# Altium PCB POV_LED_SOLID.PcbDoc
Units mm, origin at the board's own origin, x right, y up, seen from the top; angles counter-clockwise.
Board outline 20.5 x 47.5 mm, 2 copper layers (Top Layer, Bottom Layer); 145 components, 142 nets, 415 pads, 153 vias.
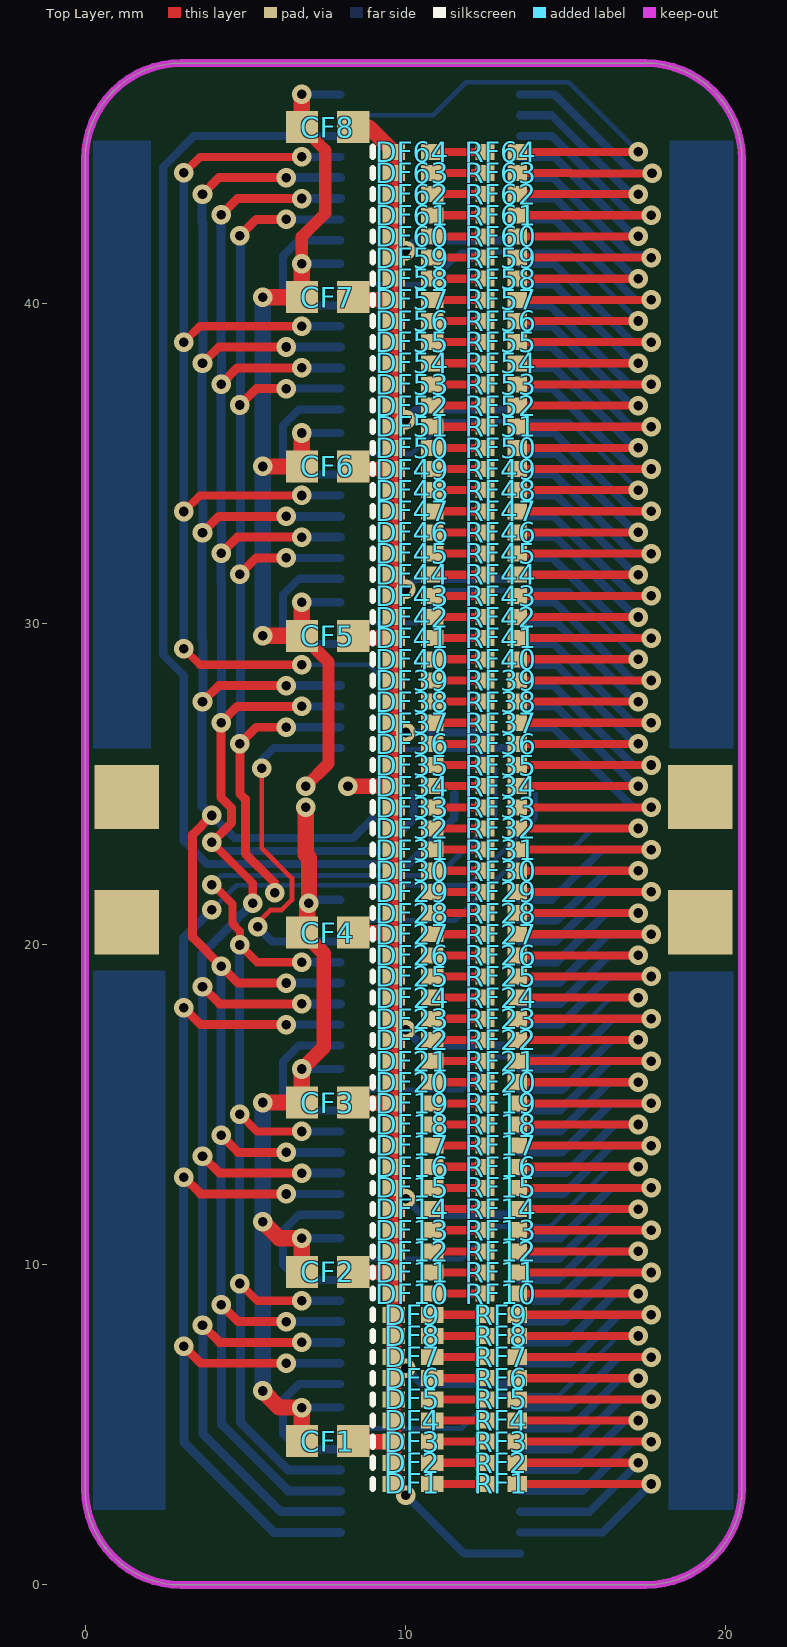
[diagram p0: Top Layer view]
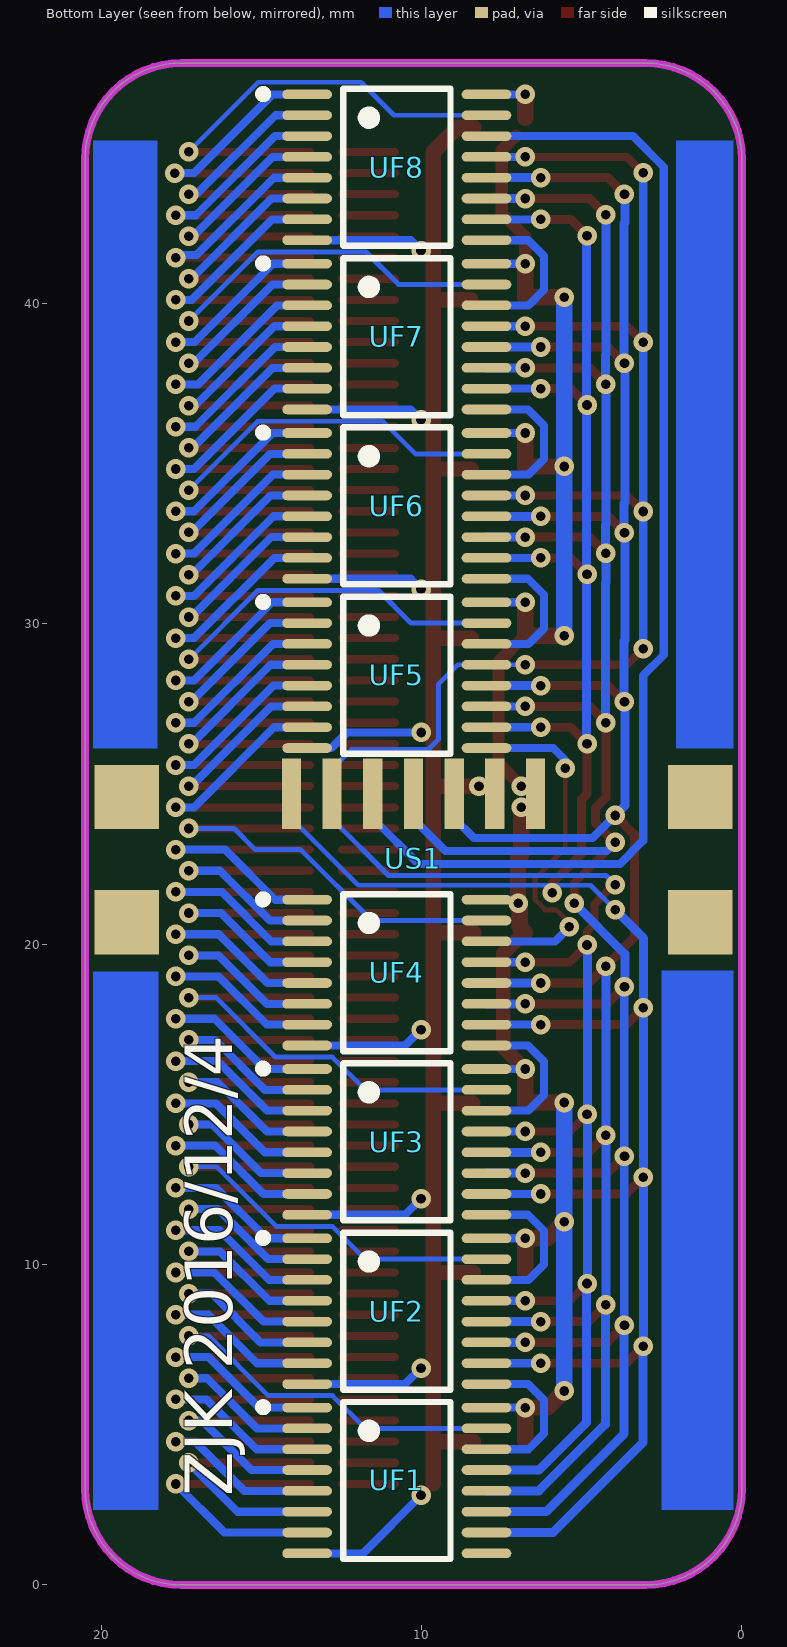
[diagram p1: Bottom Layer view, seen from below]

## Layer stack, top to bottom
Top Layer: signal copper 0.0356
Dielectric: dielectric 0.32, FR-4, Dk 4.8
Bottom Layer: signal copper 0.0356

## Board outline
0,3 0,44.5 cw(c3,44.5) 3,47.5 17.5,47.5 cw(c17.5,44.5) 20.5,44.5 20.5,3 cw(c17.5,3) 17.5,0 3,0 cw(c3,3)

## Design rules (kind name [scope] priority, off if disabled: settings)
Clearance Clearance_1 [InPolygon] p1: gap=0.381
Clearance [All] p2: gap=0.152
PolygonConnect [All] p1: connectstyle=Relief reliefconductorwidth=0.381 reliefentries=4 polygonreliefangle="90 Angle" airgapwidth=-0.381
RoutingVias [All] p1: holewidth=0.711 width=1.27 viastyle="Through Hole" minholewidth=0.711 minwidth=1.27 maxholewidth=0.711 maxwidth=1.27
SolderMaskExpansion [All] p1: expansion=0.102
Width [All] p1: maxlimit=1.524 minlimit=0.152 preferedwidth=0.203
28 further rules are at their usual default settings.

## Components (designator, comment, footprint, x,y, rotation, side; value= is the part's Value field where it differs from the comment)
CF1 "Cap1" CAPC1608N 7.57,4.485 r180 top
CF2 "Cap1" CAPC1608N 7.57,9.769 r180 top
CF3 "Cap1" CAPC1608N 7.57,15.054 r180 top
CF4 "Cap1" CAPC1608N 7.57,20.359 r180 top
CF5 "Cap1" CAPC1608N 7.57,29.624 r180 top
CF6 "Cap1" CAPC1608N 7.57,34.913 r180 top
CF7 "Cap1" CAPC1608N 7.57,40.197 r180 top
CF8 "Cap1" CAPC1608N 7.57,45.505 r180 top
DF1 "" CD1005-0402-L 10.834,3.151 r180 top
DF2 "" CD1005-0402-L 10.834,3.811 r180 top
DF3 "" CD1005-0402-L 10.834,4.471 r180 top
DF4 "" CD1005-0402-L 10.834,5.131 r180 top
DF5 "" CD1005-0402-L 10.834,5.791 r180 top
DF6 "" CD1005-0402-L 10.834,6.451 r180 top
DF7 "" CD1005-0402-L 10.834,7.111 r180 top
DF8 "" CD1005-0402-L 10.834,7.771 r180 top
DF9 "" CD1005-0402-L 10.834,8.431 r180 top
DF10 "" CD1005-0402-L 10.834,9.091 r180 top
DF11 "" CD1005-0402-L 10.834,9.751 r180 top
DF12 "" CD1005-0402-L 10.834,10.411 r180 top
DF13 "" CD1005-0402-L 10.834,11.071 r180 top
DF14 "" CD1005-0402-L 10.834,11.731 r180 top
DF15 "" CD1005-0402-L 10.834,12.391 r180 top
DF16 "" CD1005-0402-L 10.834,13.051 r180 top
DF17 "" CD1005-0402-L 10.834,13.711 r180 top
DF18 "" CD1005-0402-L 10.834,14.371 r180 top
DF19 "" CD1005-0402-L 10.834,15.031 r180 top
DF20 "" CD1005-0402-L 10.834,15.691 r180 top
DF21 "" CD1005-0402-L 10.834,16.351 r180 top
DF22 "" CD1005-0402-L 10.834,17.011 r180 top
DF23 "" CD1005-0402-L 10.834,17.671 r180 top
DF24 "" CD1005-0402-L 10.834,18.331 r180 top
DF25 "" CD1005-0402-L 10.834,18.991 r180 top
DF26 "" CD1005-0402-L 10.834,19.651 r180 top
DF27 "" CD1005-0402-L 10.834,20.311 r180 top
DF28 "" CD1005-0402-L 10.834,20.971 r180 top
DF29 "" CD1005-0402-L 10.834,21.631 r180 top
DF30 "" CD1005-0402-L 10.834,22.291 r180 top
DF31 "" CD1005-0402-L 10.834,22.951 r180 top
DF32 "" CD1005-0402-L 10.834,23.611 r180 top
DF33 "" CD1005-0402-L 10.834,24.271 r180 top
DF34 "" CD1005-0402-L 10.834,24.931 r180 top
DF35 "" CD1005-0402-L 10.834,25.59 r180 top
DF36 "" CD1005-0402-L 10.834,26.25 r180 top
DF37 "" CD1005-0402-L 10.834,26.91 r180 top
DF38 "" CD1005-0402-L 10.834,27.57 r180 top
DF39 "" CD1005-0402-L 10.834,28.23 r180 top
DF40 "" CD1005-0402-L 10.834,28.89 r180 top
DF41 "" CD1005-0402-L 10.834,29.55 r180 top
DF42 "" CD1005-0402-L 10.834,30.21 r180 top
DF43 "" CD1005-0402-L 10.834,30.87 r180 top
DF44 "" CD1005-0402-L 10.834,31.53 r180 top
DF45 "" CD1005-0402-L 10.834,32.19 r180 top
DF46 "" CD1005-0402-L 10.834,32.85 r180 top
DF47 "" CD1005-0402-L 10.834,33.51 r180 top
DF48 "" CD1005-0402-L 10.834,34.17 r180 top
DF49 "" CD1005-0402-L 10.834,34.83 r180 top
DF50 "" CD1005-0402-L 10.834,35.49 r180 top
DF51 "" CD1005-0402-L 10.834,36.15 r180 top
DF52 "" CD1005-0402-L 10.834,36.81 r180 top
DF53 "" CD1005-0402-L 10.834,37.47 r180 top
DF54 "" CD1005-0402-L 10.834,38.13 r180 top
DF55 "" CD1005-0402-L 10.834,38.79 r180 top
DF56 "" CD1005-0402-L 10.834,39.45 r180 top
DF57 "" CD1005-0402-L 10.834,40.11 r180 top
DF58 "" CD1005-0402-L 10.834,40.77 r180 top
DF59 "" CD1005-0402-L 10.834,41.43 r180 top
DF60 "" CD1005-0402-L 10.834,42.09 r180 top
DF61 "" CD1005-0402-L 10.834,42.75 r180 top
DF62 "" CD1005-0402-L 10.834,43.41 r180 top
DF63 "" CD1005-0402-L 10.834,44.07 r180 top
DF64 "" CD1005-0402-L 10.834,44.73 r180 top
RF1 "Res1" RESC1005L-0.5 12.986,3.151 r180 top
RF2 "Res1" RESC1005L-0.5 12.986,3.811 r180 top
RF3 "Res1" RESC1005L-0.5 12.986,4.471 r180 top
RF4 "Res1" RESC1005L-0.5 12.986,5.131 r180 top
RF5 "Res1" RESC1005L-0.5 12.986,5.791 r180 top
RF6 "Res1" RESC1005L-0.5 12.986,6.451 r180 top
RF7 "Res1" RESC1005L-0.5 12.986,7.111 r180 top
RF8 "Res1" RESC1005L-0.5 12.986,7.771 r180 top
RF9 "Res1" RESC1005L-0.5 12.986,8.431 r180 top
RF10 "Res1" RESC1005L-0.5 12.986,9.091 r180 top
RF11 "Res1" RESC1005L-0.5 12.986,9.751 r180 top
RF12 "Res1" RESC1005L-0.5 12.986,10.411 r180 top
RF13 "Res1" RESC1005L-0.5 12.986,11.071 r180 top
RF14 "Res1" RESC1005L-0.5 12.986,11.731 r180 top
RF15 "Res1" RESC1005L-0.5 12.986,12.391 r180 top
RF16 "Res1" RESC1005L-0.5 12.986,13.051 r180 top
RF17 "Res1" RESC1005L-0.5 12.986,13.711 r180 top
RF18 "Res1" RESC1005L-0.5 12.986,14.371 r180 top
RF19 "Res1" RESC1005L-0.5 12.986,15.031 r180 top
RF20 "Res1" RESC1005L-0.5 12.986,15.691 r180 top
RF21 "Res1" RESC1005L-0.5 12.986,16.351 r180 top
RF22 "Res1" RESC1005L-0.5 12.986,17.011 r180 top
RF23 "Res1" RESC1005L-0.5 12.986,17.671 r180 top
RF24 "Res1" RESC1005L-0.5 12.986,18.331 r180 top
RF25 "Res1" RESC1005L-0.5 12.986,18.991 r180 top
RF26 "Res1" RESC1005L-0.5 12.986,19.651 r180 top
RF27 "Res1" RESC1005L-0.5 12.986,20.311 r180 top
RF28 "Res1" RESC1005L-0.5 12.986,20.971 r180 top
RF29 "Res1" RESC1005L-0.5 12.986,21.631 r180 top
RF30 "Res1" RESC1005L-0.5 12.986,22.291 r180 top
RF31 "Res1" RESC1005L-0.5 12.986,22.951 r180 top
RF32 "Res1" RESC1005L-0.5 12.986,23.611 r180 top
RF33 "Res1" RESC1005L-0.5 12.986,24.271 r180 top
RF34 "Res1" RESC1005L-0.5 12.986,24.931 r180 top
RF35 "Res1" RESC1005L-0.5 12.986,25.59 r180 top
RF36 "Res1" RESC1005L-0.5 12.986,26.25 r180 top
RF37 "Res1" RESC1005L-0.5 12.986,26.91 r180 top
RF38 "Res1" RESC1005L-0.5 12.986,27.57 r180 top
RF39 "Res1" RESC1005L-0.5 12.986,28.23 r180 top
RF40 "Res1" RESC1005L-0.5 12.986,28.89 r180 top
RF41 "Res1" RESC1005L-0.5 12.986,29.55 r180 top
RF42 "Res1" RESC1005L-0.5 12.986,30.21 r180 top
RF43 "Res1" RESC1005L-0.5 12.986,30.87 r180 top
RF44 "Res1" RESC1005L-0.5 12.986,31.53 r180 top
RF45 "Res1" RESC1005L-0.5 12.986,32.19 r180 top
RF46 "Res1" RESC1005L-0.5 12.986,32.85 r180 top
RF47 "Res1" RESC1005L-0.5 12.986,33.51 r180 top
RF48 "Res1" RESC1005L-0.5 12.986,34.17 r180 top
RF49 "Res1" RESC1005L-0.5 12.986,34.83 r180 top
RF50 "Res1" RESC1005L-0.5 12.986,35.49 r180 top
RF51 "Res1" RESC1005L-0.5 12.986,36.15 r180 top
RF52 "Res1" RESC1005L-0.5 12.986,36.81 r180 top
RF53 "Res1" RESC1005L-0.5 12.986,37.47 r180 top
RF54 "Res1" RESC1005L-0.5 12.986,38.13 r180 top
RF55 "Res1" RESC1005L-0.5 12.986,38.79 r180 top
RF56 "Res1" RESC1005L-0.5 12.986,39.45 r180 top
RF57 "Res1" RESC1005L-0.5 12.986,40.11 r180 top
RF58 "Res1" RESC1005L-0.5 12.986,40.77 r180 top
RF59 "Res1" RESC1005L-0.5 12.986,41.43 r180 top
RF60 "Res1" RESC1005L-0.5 12.986,42.09 r180 top
RF61 "Res1" RESC1005L-0.5 12.986,42.75 r180 top
RF62 "Res1" RESC1005L-0.5 12.986,43.41 r180 top
RF63 "Res1" RESC1005L-0.5 12.986,44.07 r180 top
RF64 "Res1" RESC1005L-0.5 12.986,44.73 r180 top
UF1 "74HC595" TSSOP-16N 10.395,3.26 r180 bottom
UF2 "74HC595" TSSOP-16N 10.395,8.544 r180 bottom
UF3 "74HC595" TSSOP-16N 10.395,13.828 r180 bottom
UF4 "74HC595" TSSOP-16N 10.395,19.112 r180 bottom
UF5 "74HC595" TSSOP-16N 10.395,28.396 r180 bottom
UF6 "74HC595" TSSOP-16N 10.395,33.679 r180 bottom
UF7 "74HC595" TSSOP-16N 10.395,38.963 r180 bottom
UF8 "74HC595" TSSOP-16N 10.395,44.247 r180 bottom
US1 "SOLID_LED2" SOLID_LED2 6.44,24.691 r0 bottom

## Footprints (in the part's own frame and the unit in brackets; to place one, negate y for a bottom-side part, rotate by r counter-clockwise, add the part's x,y. Pads: shape width x height; smd on the part's side, far side on the other; paste and mask are expansions set on the pad)
CAPC1608N [mm] "Chip Capacitor, Body 1.6x0.8mm, IPC Medium Density"
  rect 1x1 smd: 1(-0.8,0) 2(0.8,0)
  body extent -0.87,-0.48 0.87,0.48, height 0.85
CD1005-0402-L [mm] "Chip Diode; Body 1.0 x 0.5 mm (LxW typ)"
  rect 0.7x0.5 smd: 1(0,0) 2(1.2,0)
  silkscreen extent 1.85,-0.15 1.85,0.15
RESC1005L-0.5 [mm] "Chip Resistor, Body 1.1x0.5mm, IPC High Density"
  rect 0.6x0.5 smd: 1(-0.5,0) 2(0.5,0)
  body extent -0.55,-0.3 0.55,0.3, height 0.4
SOLID_LED2 [mm]
  rect 0.6x2.2 smd: 1(0,0) 2(1.27,0) 3(2.54,0) 4(3.81,0) 5(5.08,0) 6(6.35,0) 7(7.62,0)
  rect 2x2 smd far side: 8(-5.14,0.1) 8(-5.14,4.008) 8(12.76,0.1) 8(12.76,4.008)
  rect 2x2 smd: 8(-5.14,0.1) 8(-5.14,4.008) 8(12.76,0.1) 8(12.76,4.008)
TSSOP-16N [mm] "TSOP, 16-Leads, Body 5.00x4.40mm, Pitch 0.65mm, IPC Medium Density"
  oval 1.55x0.3 smd: 1(-3.175,2.275) 2(-3.175,1.625) 3(-3.175,0.975) 4(-3.175,0.325) 5(-3.175,-0.325) 6(-3.175,-0.975) 7(-3.175,-1.625) 8(-3.175,-2.275) 9(2.425,-2.275) 10(2.425,-1.625) 11(2.425,-0.975) 12(2.425,-0.325) 13(2.425,0.325) 14(2.425,0.975) 15(2.425,1.625) 16(2.425,2.275)
  silkscreen extent -4.67,-2.45 1.3,2.45, body extent -2.15,-2.45 1.4,2.45, height 1.2

## Part data
CF1 CF2 CF3 CF4 CF5 CF6 CF7 CF8: "Capacitor"
DF1 DF2 DF3 DF4 DF5 DF6 DF7 DF8 DF9 DF10 DF11 DF12 DF13 DF14 DF15 DF16 DF17 DF18 DF19 DF20 DF21 DF22 DF23 DF24 DF25 DF26 DF27 DF28 DF29 DF30 DF31 DF32 DF33 DF34 DF35 DF36 DF37 DF38 DF39 DF40 DF41 DF42 DF43 DF44 DF45 DF46 DF47 DF48 DF49 DF50 DF51 DF52 DF53 DF54 DF55 DF56 DF57 DF58 DF59 DF60 DF61 DF62 DF63 DF64: library part LED2, "Typical RED, GREEN, YELLOW, AMBER GaAs LED"
RF1 RF2 RF3 RF4 RF5 RF6 RF7 RF8 RF9 RF10 RF11 RF12 RF13 RF14 RF15 RF16 RF17 RF18 RF19 RF20 RF21 RF22 RF23 RF24 RF25 RF26 RF27 RF28 RF29 RF30 RF31 RF32 RF33 RF34 RF35 RF36 RF37 RF38 RF39 RF40 RF41 RF42 RF43 RF44 RF45 RF46 RF47 RF48 RF49 RF50 RF51 RF52 RF53 RF54 RF55 RF56 RF57 RF58 RF59 RF60 RF61 RF62 RF63 RF64: "Resistor"
UF1 UF2 UF3 UF4 UF5 UF6 UF7 UF8: "8-Bit Serial-Input/Serial or Prallel-Output Shift Register with Latched 3-State Outputs"

## Via types
v1: diameter 0.61, hole 0.3, Top Layer to Bottom Layer, tented both sides, 153 vias

## Nets (pads, with @x,y where several pads share a name; then routed paths per layer and width w, separated by ;. In a path a pad name is that pad's centre, name@x,y a point inside that pad or via, vN(x,y) a via of type N, cw(c..) or ccw(c..) an arc to the next point about the centre after c; other vN are vias at no path point)
+5V: CF1.2 CF2.2 CF3.2 CF4.2 CF5.2 CF6.2 CF7.2 CF8.2 UF1.16 UF2.16 UF3.16 UF4.16 UF5.16 UF6.16 UF7.16 UF8.16 US1.1 | length 62.6
  Top Layer w0.381: CF5.2@6.7,29.624 6.776,29.624 7.595,28.805 7.595,25.642 v1(6.884,24.931) ; v1(6.763,41.238) 6.763,42.083 7.494,42.813 7.494,44.781 CF8.2@7.043,45.232
  Top Layer w0.457: v1(6.763,16.103) 7.449,16.788 7.449,19.721 6.81,20.359 CF4.2
  Top Layer w0.508: v1(5.544,6.054) 6.063,5.535 v1(6.763,5.535) 6.763,4.498 CF1.2@6.75,4.485 ; v1(5.544,11.338) 6.063,10.819 v1(6.763,10.819) CF2.2@6.763,9.782 ; v1(5.544,15.056) CF3.2@6.763,15.056 ; v1(5.544,29.626) 6.763,29.626 v1(6.763,30.67) ; v1(5.544,34.91) 6.763,34.91 v1(6.763,35.954) ; v1(5.544,40.194) 6.763,40.194 v1(6.763,41.238) ; CF3.2@6.763,15.066 v1(6.763,16.103) ; CF8.2@6.763,45.797 v1(6.763,46.522) ; CF4.2 6.935,20.524 6.935,21.223 v1(6.986,21.274) 6.986,22.696 6.884,22.798 v1(6.884,24.271)
  Bottom Layer w0.254: v1(6.763,5.535) UF1.16 ; v1(6.763,10.819) UF2.16 ; v1(6.763,16.103) UF3.16 ; v1(6.763,30.67) UF5.16 ; v1(6.763,35.954) UF6.16 ; v1(6.763,41.238) UF7.16 ; v1(6.763,46.522) UF8.16 ; v1(6.986,21.274) 7.098,21.387 UF4.16
  Bottom Layer w0.508: v1(5.544,6.054) v1(5.544,11.338) v1(5.544,15.056) ; v1(5.544,29.626) v1(5.544,34.91) v1(5.544,40.194)
CS: UF1.12 UF2.12 UF3.12 UF4.12 UF5.12 UF6.12 UF7.12 UF8.12 US1.3 | length 79.2
  Top Layer w0.279: v1(3.664,27.56) 4.175,28.071 v1(6.281,28.071) ; v1(3.664,32.844) 4.175,33.354 v1(6.281,33.354) ; v1(3.664,38.128) 4.175,38.638 v1(6.281,38.638) ; v1(3.664,43.412) 4.175,43.922 v1(6.281,43.922) ; v1(3.957,24.017) 3.951,24.017 3.353,23.42 3.353,20.209 v1(4.249,19.314) 4.776,18.787 v1(6.281,18.787) ; v1(4.249,8.746) 4.776,8.219 v1(6.281,8.219) ; v1(4.249,14.03) 4.776,13.503 v1(6.281,13.503)
  Bottom Layer w0.254: v1(3.957,24.017) 4.662,23.311 8.363,23.311 US1.3@8.98,23.929
  Bottom Layer w0.279: v1@3.652,43.399 3.652,42.518 3.677,42.493 3.677,38.141 3.652,38.115 3.652,33.777 3.677,33.752 3.677,32.857 3.652,32.831 3.652,29.493 3.677,29.468 3.677,27.573 v1(3.664,27.56) 3.652,27.547 3.652,24.322 v1(3.957,24.017) ; v1@4.236,8.759 v1@4.236,19.301 ; v1(4.249,8.746) 4.261,8.733 4.261,5.01 6.337,2.935 UF1.12 ; v1(6.281,8.219) UF2.12 ; v1(6.281,13.503) UF3.12 ; v1(6.281,18.787) UF4.12 ; v1(6.281,28.071) UF5.12 ; v1(6.281,33.354) UF6.12 ; v1(6.281,38.638) UF7.12 ; v1(6.281,43.922) UF8.12
GND: CF1.1 CF2.1 CF3.1 CF4.1 CF5.1 CF6.1 CF7.1 CF8.1 DF1.2 DF2.2 DF3.2 DF4.2 DF5.2 DF6.2 DF7.2 DF8.2 DF9.2 DF10.2 DF11.2 DF12.2 DF13.2 DF14.2 DF15.2 DF16.2 DF17.2 DF18.2 DF19.2 DF20.2 DF21.2 DF22.2 DF23.2 DF24.2 DF25.2 DF26.2 DF27.2 DF28.2 DF29.2 DF30.2 DF31.2 DF32.2 DF33.2 DF34.2 DF35.2 DF36.2 DF37.2 DF38.2 DF39.2 DF40.2 DF41.2 DF42.2 DF43.2 DF44.2 DF45.2 DF46.2 DF47.2 DF48.2 DF49.2 DF50.2 DF51.2 DF52.2 DF53.2 DF54.2 DF55.2 DF56.2 DF57.2 DF58.2 DF59.2 DF60.2 DF61.2 DF62.2 DF63.2 DF64.2 UF1.8 UF2.8 UF3.8 UF4.8 UF5.8 UF6.8 UF7.8 UF8.8 US1.2 | length 83.5
  Top Layer w0.483: v1(8.205,24.931) DF34.2 ; CF4.1 DF27.2@9.585,20.359 ; CF8.1 8.859,45.505 DF64.2 DF63.2 DF62.2 DF61.2 DF60.2 DF59.2 DF58.2 DF57.2 ; CF1.1@8.384,4.471 DF3.2 ; CF2.1@8.389,9.751 DF11.2 ; CF3.1@8.394,15.031 DF19.2 ; CF5.1@8.443,29.55 DF41.2 ; CF6.1@8.453,34.83 DF49.2 ; CF7.1@8.456,40.11 DF57.2 ; DF1.2 DF2.2 DF3.2 ; DF3.2 DF4.2 DF5.2 DF6.2 DF7.2 DF8.2 DF9.2 DF10.2 DF11.2 ; DF11.2 DF12.2 DF13.2 DF14.2 DF15.2 DF16.2 DF17.2 DF18.2 DF19.2 ; DF19.2 DF20.2 DF21.2 DF22.2 DF23.2 DF24.2 DF25.2 DF26.2 DF27.2 DF28.2 DF29.2 DF30.2 DF31.2 DF32.2 DF33.2 DF34.2 ; DF34.2 DF35.2 DF36.2 DF37.2 DF38.2 DF39.2 DF40.2 DF41.2 ; DF41.2 DF42.2 DF43.2 DF44.2 DF45.2 DF46.2 DF47.2 DF48.2 DF49.2 ; DF49.2 DF50.2 DF51.2 DF52.2 DF53.2 DF54.2 DF55.2 DF56.2 DF57.2
  Bottom Layer w0.254: v1(10.008,26.608) 12.32,26.608 12.807,26.12 UF5.8 ; v1(10.014,2.799) 11.829,0.985 UF1.8 ; v1(10.014,6.763) 10.509,6.269 UF2.8 ; v1(10.014,12.047) 10.509,11.553 UF3.8 ; v1(10.014,17.331) 10.509,16.837 UF4.8 ; v1(10.014,31.082) 10.337,31.404 UF6.8 ; v1(10.014,36.366) 10.337,36.688 UF7.8 ; v1(10.014,41.65) 10.337,41.972 UF8.8
NetDF1_1: DF1.1 RF1.2 | length 1.7
  Top Layer w0.254: DF1.1 RF1.2
NetDF2_1: DF2.1 RF2.2 | length 1.7
  Top Layer w0.254: DF2.1 RF2.2
NetDF3_1: DF3.1 RF3.2 | length 1.7
  Top Layer w0.254: DF3.1 RF3.2
NetDF4_1: DF4.1 RF4.2 | length 1.7
  Top Layer w0.254: DF4.1 RF4.2
NetDF5_1: DF5.1 RF5.2 | length 1.7
  Top Layer w0.254: DF5.1 RF5.2
NetDF6_1: DF6.1 RF6.2 | length 1.7
  Top Layer w0.254: DF6.1 RF6.2
NetDF7_1: DF7.1 RF7.2 | length 1.7
  Top Layer w0.254: DF7.1 RF7.2
NetDF8_1: DF8.1 RF8.2 | length 1.7
  Top Layer w0.254: DF8.1 RF8.2
NetDF9_1: DF9.1 RF9.2 | length 1.7
  Top Layer w0.254: DF9.1 RF9.2
NetDF10_1: DF10.1 RF10.2 | length 1.7
  Top Layer w0.254: DF10.1 RF10.2
NetDF11_1: DF11.1 RF11.2 | length 1.7
  Top Layer w0.254: DF11.1 RF11.2
NetDF12_1: DF12.1 RF12.2 | length 1.7
  Top Layer w0.254: DF12.1 RF12.2
NetDF13_1: DF13.1 RF13.2 | length 1.7
  Top Layer w0.254: DF13.1 RF13.2
NetDF14_1: DF14.1 RF14.2 | length 1.7
  Top Layer w0.254: DF14.1 RF14.2
NetDF15_1: DF15.1 RF15.2 | length 1.7
  Top Layer w0.254: DF15.1 RF15.2
NetDF16_1: DF16.1 RF16.2 | length 1.7
  Top Layer w0.254: DF16.1 RF16.2
NetDF17_1: DF17.1 RF17.2 | length 1.7
  Top Layer w0.254: DF17.1 RF17.2
NetDF18_1: DF18.1 RF18.2 | length 1.7
  Top Layer w0.254: DF18.1 RF18.2
NetDF19_1: DF19.1 RF19.2 | length 1.7
  Top Layer w0.254: DF19.1 RF19.2
NetDF20_1: DF20.1 RF20.2 | length 1.7
  Top Layer w0.254: DF20.1 RF20.2
NetDF21_1: DF21.1 RF21.2 | length 1.7
  Top Layer w0.254: DF21.1 RF21.2
NetDF22_1: DF22.1 RF22.2 | length 1.7
  Top Layer w0.254: DF22.1 RF22.2
NetDF23_1: DF23.1 RF23.2 | length 1.7
  Top Layer w0.254: DF23.1 RF23.2
NetDF24_1: DF24.1 RF24.2 | length 1.7
  Top Layer w0.254: DF24.1 RF24.2
NetDF25_1: DF25.1 RF25.2 | length 1.7
  Top Layer w0.254: DF25.1 RF25.2
NetDF26_1: DF26.1 RF26.2 | length 1.7
  Top Layer w0.254: DF26.1 RF26.2
NetDF27_1: DF27.1 RF27.2 | length 1.7
  Top Layer w0.254: DF27.1 RF27.2
NetDF28_1: DF28.1 RF28.2 | length 1.7
  Top Layer w0.254: DF28.1 RF28.2
NetDF29_1: DF29.1 RF29.2 | length 1.7
  Top Layer w0.254: DF29.1 RF29.2
NetDF30_1: DF30.1 RF30.2 | length 1.7
  Top Layer w0.254: DF30.1 RF30.2
NetDF31_1: DF31.1 RF31.2 | length 1.7
  Top Layer w0.254: DF31.1 RF31.2
NetDF32_1: DF32.1 RF32.2 | length 1.7
  Top Layer w0.254: DF32.1 RF32.2
NetDF33_1: DF33.1 RF33.2 | length 1.7
  Top Layer w0.254: DF33.1 RF33.2
NetDF34_1: DF34.1 RF34.2 | length 1.7
  Top Layer w0.254: DF34.1 RF34.2
NetDF35_1: DF35.1 RF35.2 | length 1.7
  Top Layer w0.254: DF35.1 RF35.2
NetDF36_1: DF36.1 RF36.2 | length 1.7
  Top Layer w0.254: DF36.1 RF36.2
NetDF37_1: DF37.1 RF37.2 | length 1.7
  Top Layer w0.254: DF37.1 RF37.2
NetDF38_1: DF38.1 RF38.2 | length 1.7
  Top Layer w0.254: DF38.1 RF38.2
NetDF39_1: DF39.1 RF39.2 | length 1.7
  Top Layer w0.254: DF39.1 RF39.2
NetDF40_1: DF40.1 RF40.2 | length 1.7
  Top Layer w0.254: DF40.1 RF40.2
NetDF41_1: DF41.1 RF41.2 | length 1.7
  Top Layer w0.254: DF41.1 RF41.2
NetDF42_1: DF42.1 RF42.2 | length 1.7
  Top Layer w0.254: DF42.1 RF42.2
NetDF43_1: DF43.1 RF43.2 | length 1.7
  Top Layer w0.254: DF43.1 RF43.2
NetDF44_1: DF44.1 RF44.2 | length 1.7
  Top Layer w0.254: DF44.1 RF44.2
NetDF45_1: DF45.1 RF45.2 | length 1.7
  Top Layer w0.254: DF45.1 RF45.2
NetDF46_1: DF46.1 RF46.2 | length 1.7
  Top Layer w0.254: DF46.1 RF46.2
NetDF47_1: DF47.1 RF47.2 | length 1.7
  Top Layer w0.254: DF47.1 RF47.2
NetDF48_1: DF48.1 RF48.2 | length 1.7
  Top Layer w0.254: DF48.1 RF48.2
NetDF49_1: DF49.1 RF49.2 | length 1.7
  Top Layer w0.254: DF49.1 RF49.2
NetDF50_1: DF50.1 RF50.2 | length 1.7
  Top Layer w0.254: DF50.1 RF50.2
NetDF51_1: DF51.1 RF51.2 | length 1.7
  Top Layer w0.254: DF51.1 RF51.2
NetDF52_1: DF52.1 RF52.2 | length 1.7
  Top Layer w0.254: DF52.1 RF52.2
NetDF53_1: DF53.1 RF53.2 | length 1.7
  Top Layer w0.254: DF53.1 RF53.2
NetDF54_1: DF54.1 RF54.2 | length 1.7
  Top Layer w0.254: DF54.1 RF54.2
NetDF55_1: DF55.1 RF55.2 | length 1.7
  Top Layer w0.254: DF55.1 RF55.2
NetDF56_1: DF56.1 RF56.2 | length 1.7
  Top Layer w0.254: DF56.1 RF56.2
NetDF57_1: DF57.1 RF57.2 | length 1.7
  Top Layer w0.254: DF57.1 RF57.2
NetDF58_1: DF58.1 RF58.2 | length 1.7
  Top Layer w0.254: DF58.1 RF58.2
NetDF59_1: DF59.1 RF59.2 | length 1.7
  Top Layer w0.254: DF59.1 RF59.2
NetDF60_1: DF60.1 RF60.2 | length 1.7
  Top Layer w0.254: DF60.1 RF60.2
NetDF61_1: DF61.1 RF61.2 | length 1.7
  Top Layer w0.254: DF61.1 RF61.2
NetDF62_1: DF62.1 RF62.2 | length 1.7
  Top Layer w0.254: DF62.1 RF62.2
NetDF63_1: DF63.1 RF63.2 | length 1.7
  Top Layer w0.254: DF63.1 RF63.2
NetDF64_1: DF64.1 RF64.2 | length 1.7
  Top Layer w0.254: DF64.1 RF64.2
NetRF1_1: RF1.1 UF1.7 | length 8.9
  Top Layer w0.254: RF1.1 v1(17.671,3.151)
  Bottom Layer w0.254: UF1.7 16.155,1.635 v1(17.671,3.151)
NetRF2_1: RF2.1 UF1.6 | length 8.1
  Top Layer w0.254: RF2.1 v1(17.264,3.811)
  Bottom Layer w0.254: UF1.6 15.738,2.285 v1(17.264,3.811)
NetRF3_1: RF3.1 UF1.5 | length 8.9
  Top Layer w0.254: RF3.1 v1(17.671,4.471)
  Bottom Layer w0.254: UF1.5 15.53,2.935 17.066,4.471 v1(17.671,4.471)
NetRF4_1: RF4.1 UF1.4 | length 8
  Top Layer w0.254: RF4.1 14.764,5.131 ; 14.891,5.131 v1(17.264,5.131)
  Bottom Layer w0.254: UF1.4 15.306,3.585 16.852,5.131 v1(17.264,5.131)
NetRF5_1: RF5.1 UF1.3 | length 8.9
  Top Layer w0.254: RF5.1 v1(17.671,5.791)
  Bottom Layer w0.254: UF1.3 15.149,4.235 16.705,5.791 v1(17.671,5.791)
NetRF6_1: RF6.1 UF1.2 | length 8.1
  Top Layer w0.254: RF6.1 v1(17.264,6.451)
  Bottom Layer w0.254: UF1.2 15.133,4.885 16.699,6.451 v1(17.264,6.451)
NetRF7_1: RF7.1 UF1.1 | length 8.9
  Top Layer w0.254: RF7.1 v1(17.671,7.111)
  Bottom Layer w0.254: UF1.1 15.072,5.535 16.648,7.111 v1(17.671,7.111)
NetRF8_1: RF8.1 UF1.15 | length 14.3
  Top Layer w0.254: RF8.1 v1(17.264,7.771)
  Bottom Layer w0.152: UF1.15 11.76,4.885 12.782,5.907 14.783,5.907 16.647,7.771 v1(17.264,7.771)
NetRF9_1: RF9.1 UF2.7 | length 8.9
  Top Layer w0.254: RF9.1 v1(17.671,8.431)
  Bottom Layer w0.254: UF2.7 15.135,6.919 16.647,8.431 v1(17.671,8.431)
NetRF10_1: RF10.1 UF2.6 | length 8.1
  Top Layer w0.254: RF10.1 v1(17.264,9.091)
  Bottom Layer w0.254: UF2.6 15.023,7.569 16.545,9.091 v1(17.264,9.091)
NetRF11_1: RF11.1 UF2.5 | length 8.9
  Top Layer w0.254: RF11.1 v1(17.671,9.751)
  Bottom Layer w0.254: UF2.5 14.936,8.219 16.468,9.751 v1(17.671,9.751)
NetRF12_1: RF12.1 UF2.4 | length 8.1
  Top Layer w0.254: RF12.1 v1(17.264,10.411)
  Bottom Layer w0.254: UF2.4 14.748,8.869 16.29,10.411 v1(17.264,10.411)
NetRF13_1: RF13.1 UF2.3 | length 8.9
  Top Layer w0.254: RF13.1 v1(17.671,11.071)
  Bottom Layer w0.254: UF2.3 14.752,9.519 16.304,11.071 v1(17.671,11.071)
NetRF14_1: RF14.1 UF2.2 | length 8.1
  Top Layer w0.254: RF14.1 v1(17.264,11.731)
  Bottom Layer w0.254: UF2.2 14.793,10.169 16.355,11.731 v1(17.264,11.731)
NetRF15_1: RF15.1 UF2.1 | length 8.9
  Top Layer w0.254: RF15.1 v1(17.671,12.391)
  Bottom Layer w0.254: UF2.1 14.844,10.819 16.416,12.391 v1(17.671,12.391)
NetRF16_1: RF16.1 UF2.15 | length 14.3
  Top Layer w0.254: RF16.1 v1(17.264,13.051)
  Bottom Layer w0.152: UF2.15 11.76,10.169 12.782,11.191 14.53,11.191 16.39,13.051 v1(17.264,13.051)
NetRF17_1: RF17.1 UF3.7 | length 8.9
  Top Layer w0.254: RF17.1 v1(17.671,13.711)
  Bottom Layer w0.254: UF3.7 14.931,12.203 16.439,13.711 v1(17.671,13.711)
NetRF18_1: RF18.1 UF3.6 | length 8.1
  Top Layer w0.254: RF18.1 v1(17.264,14.371)
  Bottom Layer w0.254: UF3.6 15.006,12.853 16.524,14.371 v1(17.264,14.371)
NetRF19_1: RF19.1 UF3.5 | length 8.9
  Top Layer w0.254: RF19.1 v1(17.671,15.031)
  Bottom Layer w0.254: UF3.5 14.886,13.503 16.414,15.031 v1(17.671,15.031)
NetRF20_1: RF20.1 UF3.4 | length 8.1
  Top Layer w0.254: RF20.1 v1(17.264,15.691)
  Bottom Layer w0.254: UF3.4 14.825,14.153 16.363,15.691 v1(17.264,15.691)
NetRF21_1: RF21.1 UF3.3 | length 8.9
  Top Layer w0.254: RF21.1 v1(17.671,16.351)
  Bottom Layer w0.254: UF3.3 14.823,14.803 16.371,16.351 v1(17.671,16.351)
NetRF22_1: RF22.1 UF3.2 | length 8.1
  Top Layer w0.254: RF22.1 v1(17.264,17.011)
  Bottom Layer w0.254: UF3.2 14.88,15.453 16.438,17.011 v1(17.264,17.011)
NetRF23_1: RF23.1 UF3.1 | length 8.9
  Top Layer w0.254: RF23.1 v1(17.671,17.671)
  Bottom Layer w0.254: UF3.1 14.891,16.103 16.459,17.671 v1(17.671,17.671)
NetRF24_1: RF24.1 UF3.15 | length 14.3
  Top Layer w0.254: RF24.1 v1(17.264,18.331)
  Bottom Layer w0.152: UF3.15 11.76,15.453 12.782,16.475 14.556,16.475 16.412,18.331 v1(17.264,18.331)
NetRF25_1: RF25.1 UF4.7 | length 8.9
  Top Layer w0.254: RF25.1 v1(17.671,18.991)
  Bottom Layer w0.254: UF4.7 14.832,17.487 16.336,18.991 v1(17.671,18.991)
NetRF26_1: RF26.1 UF4.6 | length 8.1
  Top Layer w0.254: RF26.1 v1(17.264,19.651)
  Bottom Layer w0.254: UF4.6 14.821,18.137 16.335,19.651 v1(17.264,19.651)
NetRF27_1: RF27.1 UF4.5 | length 8.9
  Top Layer w0.254: RF27.1 v1(17.671,20.311)
  Bottom Layer w0.254: UF4.5 14.811,18.787 16.335,20.311 v1(17.671,20.311)
NetRF28_1: RF28.1 UF4.4 | length 8.1
  Top Layer w0.254: RF28.1 v1(17.264,20.971)
  Bottom Layer w0.254: UF4.4 14.724,19.437 16.258,20.971 v1(17.264,20.971)
NetRF29_1: RF29.1 UF4.3 | length 8.9
  Top Layer w0.254: RF29.1 v1(17.671,21.631)
  Bottom Layer w0.254: UF4.3 14.688,20.087 16.232,21.631 v1(17.671,21.631)
NetRF30_1: RF30.1 UF4.2 | length 8.1
  Top Layer w0.254: RF30.1 v1(17.264,22.291)
  Bottom Layer w0.254: UF4.2 14.732,20.737 16.286,22.291 v1(17.264,22.291)
NetRF31_1: RF31.1 UF4.1 | length 8.9
  Top Layer w0.254: RF31.1 v1(17.671,22.951)
  Bottom Layer w0.254: UF4.1 14.566,21.387 16.13,22.951 v1(17.671,22.951)
NetRF32_1: RF32.1 UF4.15 | length 14.3
  Top Layer w0.254: RF32.1 v1(17.264,23.611)
  Bottom Layer w0.152: UF4.15 11.554,20.737 13.768,22.951 15.19,22.951 15.85,23.611 v1(17.264,23.611)
NetRF33_1: RF33.1 UF5.7 | length 9.3
  Top Layer w0.254: RF33.1 15.171,24.271 v1(17.671,24.271)
  Bottom Layer w0.254: UF5.7 14.598,26.771 17.098,24.271 v1(17.671,24.271)
NetRF34_1: RF34.1 UF5.6 | length 8.5
  Top Layer w0.254: RF34.1 14.764,24.931 v1(17.264,24.931)
  Bottom Layer w0.254: UF5.6 14.693,27.42 17.183,24.931 v1(17.264,24.931)
NetRF35_1: RF35.1 UF5.5 | length 9.3
  Top Layer w0.254: RF35.1 15.171,25.59 v1(17.671,25.59)
  Bottom Layer w0.254: UF5.5 14.618,28.071 17.098,25.59 v1(17.671,25.59)
NetRF36_1: RF36.1 UF5.4 | length 8.5
  Top Layer w0.254: RF36.1 14.764,26.25 v1(17.264,26.25)
  Bottom Layer w0.254: UF5.4 14.713,28.72 17.183,26.25 v1(17.264,26.25)
NetRF37_1: RF37.1 UF5.3 | length 9.3
  Top Layer w0.254: RF37.1 15.171,26.91 v1(17.671,26.91)
  Bottom Layer w0.254: UF5.3 14.638,29.371 17.098,26.91 v1(17.671,26.91)
NetRF38_1: RF38.1 UF5.2 | length 8.5
  Top Layer w0.254: RF38.1 14.764,27.57 v1(17.264,27.57)
  Bottom Layer w0.254: UF5.2 14.733,30.02 17.183,27.57 v1(17.264,27.57)
NetRF39_1: RF39.1 UF5.1 | length 9.3
  Top Layer w0.254: RF39.1 v1(17.671,28.23)
  Bottom Layer w0.254: UF5.1 14.658,30.67 17.098,28.23 v1(17.671,28.23)
NetRF40_1: RF40.1 UF5.15 | length 14.4
  Top Layer w0.254: RF40.1 14.764,28.89 v1(17.264,28.89)
  Bottom Layer w0.152: UF5.15 10.327,30.02 11.344,31.037 15.108,31.037 17.255,28.89 v1(17.264,28.89)
NetRF41_1: RF41.1 UF6.7 | length 9.3
  Top Layer w0.254: RF41.1 15.171,29.55 v1(17.671,29.55)
  Bottom Layer w0.254: UF6.7 14.594,32.054 17.098,29.55 v1(17.671,29.55)
NetRF42_1: RF42.1 UF6.6 | length 8.5
  Top Layer w0.254: RF42.1 14.764,30.21 v1(17.264,30.21)
  Bottom Layer w0.254: UF6.6 14.689,32.704 17.183,30.21 v1(17.264,30.21)
NetRF43_1: RF43.1 UF6.5 | length 9.3
  Top Layer w0.254: RF43.1 15.171,30.87 v1(17.671,30.87)
  Bottom Layer w0.254: UF6.5 14.614,33.354 17.098,30.87 v1(17.671,30.87)
NetRF44_1: RF44.1 UF6.4 | length 8.5
  Top Layer w0.254: RF44.1 14.764,31.53 v1(17.264,31.53)
  Bottom Layer w0.254: UF6.4 14.709,34.004 17.183,31.53 v1(17.264,31.53)
NetRF45_1: RF45.1 UF6.3 | length 9.3
  Top Layer w0.254: RF45.1 15.171,32.19 v1(17.671,32.19)
  Bottom Layer w0.254: UF6.3 14.634,34.654 17.098,32.19 v1(17.671,32.19)
NetRF46_1: RF46.1 UF6.2 | length 8.5
  Top Layer w0.254: RF46.1 14.764,32.85 v1(17.264,32.85)
  Bottom Layer w0.254: UF6.2 14.729,35.304 17.183,32.85 v1(17.264,32.85)
NetRF47_1: RF47.1 UF6.1 | length 9.3
  Top Layer w0.254: RF47.1 v1(17.671,33.51)
  Bottom Layer w0.254: UF6.1 14.654,35.954 17.098,33.51 v1(17.671,33.51)
NetRF48_1: RF48.1 UF6.15 | length 14.4
  Top Layer w0.254: RF48.1 14.764,34.17 v1(17.264,34.17)
  Bottom Layer w0.152: UF6.15 10.196,35.304 11.213,36.321 15.113,36.321 v1(17.264,34.17)
NetRF49_1: RF49.1 UF7.7 | length 9.3
  Top Layer w0.254: RF49.1 15.171,34.83 v1(17.671,34.83)
  Bottom Layer w0.254: UF7.7 14.594,37.338 17.102,34.83 v1(17.671,34.83)
NetRF50_1: RF50.1 UF7.6 | length 8.5
  Top Layer w0.254: RF50.1 14.764,35.49 v1(17.264,35.49)
  Bottom Layer w0.254: UF7.6 14.648,37.988 17.146,35.49 v1(17.264,35.49)
NetRF51_1: RF51.1 UF7.5 | length 9.3
  Top Layer w0.254: RF51.1 v1(17.671,36.15)
  Bottom Layer w0.254: UF7.5 14.572,38.638 17.06,36.15 v1(17.671,36.15)
NetRF52_1: RF52.1 UF7.4 | length 8.5
  Top Layer w0.254: RF52.1 14.764,36.81 v1(17.264,36.81)
  Bottom Layer w0.254: UF7.4 14.584,39.288 17.062,36.81 v1(17.264,36.81)
NetRF53_1: RF53.1 UF7.3 | length 9.3
  Top Layer w0.254: RF53.1 15.171,37.47 v1(17.671,37.47)
  Bottom Layer w0.254: UF7.3 14.508,39.938 16.976,37.47 v1(17.671,37.47)
NetRF54_1: RF54.1 UF7.2 | length 8.5
  Top Layer w0.254: RF54.1 14.764,38.13 v1(17.264,38.13)
  Bottom Layer w0.254: UF7.2 14.655,40.588 17.113,38.13 v1(17.264,38.13)
NetRF55_1: RF55.1 UF7.1 | length 9.3
  Top Layer w0.254: RF55.1 v1(17.671,38.79)
  Bottom Layer w0.254: UF7.1 14.631,41.238 17.079,38.79 v1(17.671,38.79)
NetRF56_1: RF56.1 UF7.15 | length 14.4
  Top Layer w0.254: RF56.1 14.764,39.45 v1(17.264,39.45)
  Bottom Layer w0.152: UF7.15 10.716,40.588 11.733,41.605 15.11,41.605 v1(17.264,39.45)
NetRF57_1: RF57.1 UF8.7 | length 9.3
  Top Layer w0.254: RF57.1 15.171,40.11 v1(17.671,40.11)
  Bottom Layer w0.254: UF8.7 14.669,42.622 17.181,40.11 v1(17.671,40.11)
NetRF58_1: RF58.1 UF8.6 | length 8.4
  Top Layer w0.254: RF58.1 14.764,40.77 v1(17.264,40.77)
  Bottom Layer w0.254: UF8.6 14.681,43.272 v1@17.183,40.77
NetRF59_1: RF59.1 UF8.5 | length 9.3
  Top Layer w0.254: RF59.1 15.171,41.43 v1(17.671,41.43)
  Bottom Layer w0.254: UF8.5 14.606,43.922 17.022,41.506 17.595,41.506 v1(17.671,41.43)
NetRF60_1: RF60.1 UF8.4 | length 8.5
  Top Layer w0.254: RF60.1 v1(17.264,42.09)
  Bottom Layer w0.254: UF8.4 14.651,44.572 17.133,42.09 v1(17.264,42.09)
NetRF61_1: RF61.1 UF8.3 | length 9.3
  Top Layer w0.254: RF61.1 v1(17.671,42.75)
  Bottom Layer w0.254: UF8.3 14.576,45.222 17.048,42.75 v1(17.671,42.75)
NetRF62_1: RF62.1 UF8.2 | length 8.5
  Top Layer w0.254: RF62.1 v1(17.264,43.41)
  Bottom Layer w0.254: UF8.2 14.562,45.872 17.024,43.41 v1(17.264,43.41)
NetRF63_1: RF63.1 UF8.1 | length 9.4
  Top Layer w0.254: RF63.1 15.171,44.07 15.184,44.057 v1(17.696,44.057)
  Bottom Layer w0.254: UF8.1 14.646,46.522 17.098,44.07 17.684,44.07 v1(17.696,44.057)
NetRF64_1: RF64.1 UF8.15 | length 14.4
  Top Layer w0.254: RF64.1 14.764,44.73 v1(17.264,44.73)
  Bottom Layer w0.152: UF8.15 10.858,45.872 11.888,46.902 15.092,46.902 v1(17.264,44.73)
PWM: UF1.13 UF2.13 UF3.13 UF4.13 UF5.13 UF6.13 UF7.13 UF8.13 US1.6 | length 84.6
  Top Layer w0.254: v1(3.08,29.22) 3.58,28.72 v1(6.763,28.72) ; v1(3.08,33.504) 3.58,34.004 v1(6.763,34.004) ; v1(3.08,38.788) 3.58,39.288 v1(6.763,39.288) ; v1(3.08,44.072) 3.58,44.572 v1(6.763,44.572) ; v1(3.957,21.858) 3.995,21.858 4.598,21.255 4.598,20.639 4.833,20.404 v1(4.833,19.974) 5.371,19.437 v1(6.763,19.437) ; v1(4.833,9.406) 5.371,8.869 v1(6.763,8.869) ; v1(4.833,14.69) 5.371,14.153 v1(6.763,14.153)
  Bottom Layer w0.152: v1(3.957,21.858) 4.242,22.143 11.03,22.143 12.79,23.904 US1.6 12.79,25.475 12.191,26.074 9.787,26.074 9.475,26.387 9.475,28.111 8.865,28.72 UF5.13 v1(6.763,28.72)
  Bottom Layer w0.254: v1(3.08,29.22) v1(3.08,44.072) ; v1(6.763,8.869) UF2.13 ; v1(6.763,14.153) UF3.13 ; v1(6.763,19.437) UF4.13 ; v1(6.763,34.004) UF6.13 ; v1(6.763,39.288) UF7.13 ; v1(6.763,44.572) UF8.13
  Bottom Layer w0.279: v1@4.82,9.474 v1@4.82,20.016 ; v1(4.833,9.406) 4.846,9.394 4.846,5.075 6.336,3.585 UF1.13
RST: UF1.10 UF2.10 UF3.10 UF4.10 UF5.10 UF6.10 UF7.10 UF8.10 US1.7 | length 84.8
  Top Layer w0.279: v1(3.08,7.446) 3.608,6.919 v1(6.281,6.919) ; v1(3.08,12.73) 3.608,12.203 v1(6.281,12.203) ; v1(3.08,18.014) 3.608,17.487 v1(6.281,17.487) ; v1(4.833,31.544) 5.343,32.054 v1(6.281,32.054) ; v1(4.833,36.828) 5.343,37.338 v1(6.281,37.338) ; v1(4.833,42.112) 5.343,42.622 v1(6.281,42.622) ; v1(5.919,21.604) 5.919,21.909 5.004,22.823 5.004,24.525 4.833,24.696 v1(4.833,26.26) 5.343,26.771 v1(6.281,26.771)
  Bottom Layer w0.152: v1(3.957,21.07) 4.724,21.838 11.97,21.838 14.06,23.929 US1.7
  Bottom Layer w0.254: v1(6.281,6.919) UF2.10 ; v1(6.281,12.203) UF3.10 ; v1(6.281,17.487) UF4.10 ; v1(6.281,26.771) UF5.10 ; v1(6.281,32.054) UF6.10 ; v1(6.281,37.338) UF7.10 ; v1(6.281,42.622) UF8.10
  Bottom Layer w0.279: v1@3.068,7.459 3.068,18.001 v1(3.08,18.014) 3.068,18.027 3.068,20.181 v1(3.957,21.07) ; v1(3.08,7.446) 3.08,4.453 5.898,1.635 UF1.10 ; v1(4.833,26.26) 4.846,26.273 v1@4.846,42.099
SCLK: UF1.11 UF2.11 UF3.11 UF4.11 UF5.11 UF6.11 UF7.11 UF8.11 US1.4 | length 81.9
  Top Layer w0.254: v1(3.957,23.179) 5.233,21.902 v1(5.233,21.274)
  Top Layer w0.279: v1(3.664,8.1) 4.195,7.569 v1(6.763,7.569) ; v1(3.664,13.384) 4.195,12.853 v1(6.763,12.853) ; v1(3.664,18.667) 4.195,18.137 v1(6.763,18.137) ; v1(3.957,23.179) 3.963,23.179 4.573,23.789 4.573,24.245 4.236,24.582 4.236,26.901 v1(4.249,26.913) 4.756,27.42 v1(6.763,27.42) ; v1(4.249,32.197) 4.756,32.704 v1(6.763,32.704) ; v1(4.249,37.481) 4.756,37.988 v1(6.763,37.988) ; v1(4.249,42.765) 4.756,43.272 v1(6.763,43.272)
  Bottom Layer w0.254: v1(3.957,23.179) 4.23,22.905 9.252,22.905 10.25,23.904 US1.4 ; v1(6.763,27.42) UF5.11
  Bottom Layer w0.279: v1(3.664,8.1) v1@3.671,8.093 ; v1(3.664,18.667) 3.652,18.68 3.652,19.692 v1(5.233,21.274) ; v1@3.671,18.636 v1@3.671,8.093 ; v1(4.249,42.765) 4.236,42.753 4.236,38.4 4.261,38.375 4.261,37.494 4.236,37.469 4.236,33.117 4.261,33.091 4.261,32.223 4.236,32.197 4.236,31.297 4.261,31.271 v1@4.261,26.926 ; v1(6.763,7.569) UF2.11 ; v1(6.763,12.853) UF3.11 ; v1(6.763,18.137) UF4.11 ; v1(6.763,32.704) UF6.11 ; v1(6.763,37.988) UF7.11 ; v1(6.763,43.272) UF8.11 ; UF1.11 6.112,2.285 3.677,4.719 3.677,8.087 v1@3.671,8.093
SDI: UF8.14 US1.5 | length 37.3
  Bottom Layer w0.254: UF8.14 3.404,45.222 2.439,44.257 2.439,29.021 3.08,28.379 3.08,23.229 3.81,22.499 10.09,22.499 11.52,23.929 US1.5
SDO9: UF1.14 UF2.9 | length 5.1
  Bottom Layer w0.254: UF1.14 6.66,4.235 6.173,4.721 6.173,5.77 6.671,6.269 UF2.9
SDO17: UF2.14 UF3.9 | length 5.1
  Bottom Layer w0.254: UF2.14 6.66,9.519 6.173,10.005 6.173,11.054 6.671,11.553 UF3.9
SDO25: UF3.14 UF4.9 | length 5.1
  Bottom Layer w0.254: UF3.14 6.66,14.803 6.173,15.289 6.173,16.338 6.671,16.837 UF4.9
SDO33: UF4.14 UF5.9 | length 11.6
  Top Layer w0.152: v1(5.385,20.537) 5.385,20.664 5.792,21.07 6.14,21.07 6.452,21.383 6.452,22.061 5.512,23.001 v1(5.512,25.49)
  Bottom Layer w0.254: v1(5.385,20.537) 5.836,20.087 UF4.14 ; v1(5.512,25.49) 5.512,25.744 5.889,26.12 UF5.9
SDO41: UF5.14 UF6.9 | length 5.1
  Bottom Layer w0.254: UF5.14 6.66,29.371 6.173,29.857 6.173,30.906 6.671,31.404 UF6.9
SDO49: UF6.14 UF7.9 | length 5.1
  Bottom Layer w0.254: UF6.14 6.66,34.654 6.173,35.141 6.173,36.19 6.671,36.688 UF7.9
SDO57: UF7.14 UF8.9 | length 5.1
  Bottom Layer w0.254: UF7.14 6.66,39.938 6.173,40.425 6.173,41.474 6.671,41.972 UF8.9
pads on no net: UF1.9 US1.8

## Keep-outs
Keep-Out Layer:
  the board outline again, w0.254

## Other copper
Bottom Layer:
  rectangle: 0.254,26.111 2.057,45.085
  region: 20.246,45.085 18.237,45.085 18.237,26.111 20.246,26.111
  rectangle: 0.254,2.337 2.515,19.177
  region: 20.246,19.152 18.212,19.152 18.212,2.337 20.246,2.337

## Silkscreen, mask and mechanical layers (free items; w line width, h text height)
Bottom Overlay:
  text "ZJK 2016/12/4" at 15.418,2.769 h2.54 r270
Bottom Solder:
  rectangle: 0.381,2.467 2.388,4.448
  rectangle: 0.381,4.553 2.388,6.534
  rectangle: 0.381,6.639 2.388,8.62
  rectangle: 0.381,8.725 2.388,10.706
  rectangle: 0.381,10.811 2.388,12.792
  rectangle: 0.381,14.983 2.388,16.964
  rectangle: 0.381,17.069 2.388,19.05
  rectangle: 0.381,12.897 2.388,14.878
  rectangle: 18.339,17.094 20.119,19.05
  rectangle: 18.339,2.47 20.119,4.426
  rectangle: 18.339,4.559 20.119,6.515
  rectangle: 18.339,6.648 20.119,8.604
  rectangle: 18.339,8.738 20.119,10.693
  rectangle: 18.339,10.827 20.119,12.783
  rectangle: 18.339,12.916 20.119,14.872
  rectangle: 18.339,15.005 20.119,16.961
  rectangle: 18.365,26.24 20.118,27.993
  rectangle: 18.365,28.153 20.118,29.905
  rectangle: 18.365,30.065 20.118,31.818
  rectangle: 18.365,31.978 20.118,33.73
  rectangle: 18.365,33.89 20.118,35.643
  rectangle: 18.365,35.802 20.118,37.555
  rectangle: 18.365,37.715 20.118,39.467
  rectangle: 18.365,39.627 20.118,41.38
  rectangle: 18.365,41.54 20.118,43.292
  rectangle: 18.365,43.452 20.118,44.958
  region: 0.381,27.838 0.381,26.239 1.928,26.239 1.928,27.838
  region: 0.381,29.597 0.381,27.992 1.928,27.992 1.928,29.597
  region: 0.381,31.354 0.381,29.744 1.928,29.744 1.928,31.354
  region: 0.381,33.085 0.381,31.497 1.928,31.497 1.928,33.085
  region: 0.381,34.843 0.381,33.249 1.928,33.249 1.928,34.843
  region: 0.381,36.6 0.381,35.002 1.928,35.002 1.928,36.6
  region: 0.381,38.357 0.381,36.754 1.928,36.754 1.928,38.357
  region: 0.381,40.114 0.381,38.507 1.928,38.507 1.928,40.114
  region: 0.381,41.871 0.381,40.259 1.928,40.259 1.928,41.871
  region: 0.381,43.603 0.381,42.012 1.928,42.012 1.928,43.603
  region: 0.381,44.958 0.381,43.764 1.928,43.764 1.928,44.958